# Altium PCB 190830 Diff Pressure Sensors.PcbDoc
Units mm, origin at the board's own origin, x right, y up, seen from the top; angles counter-clockwise.
Board outline 249.68 x 141.22 mm, 4 copper layers (Top Layer, Int1 (GND), Int2 (PWR), Bottom Layer), stack 1.369 mm thick; 92 components, 60 nets, 406 pads, 89 vias.
Unrouted connection lines stored in the file: 50.
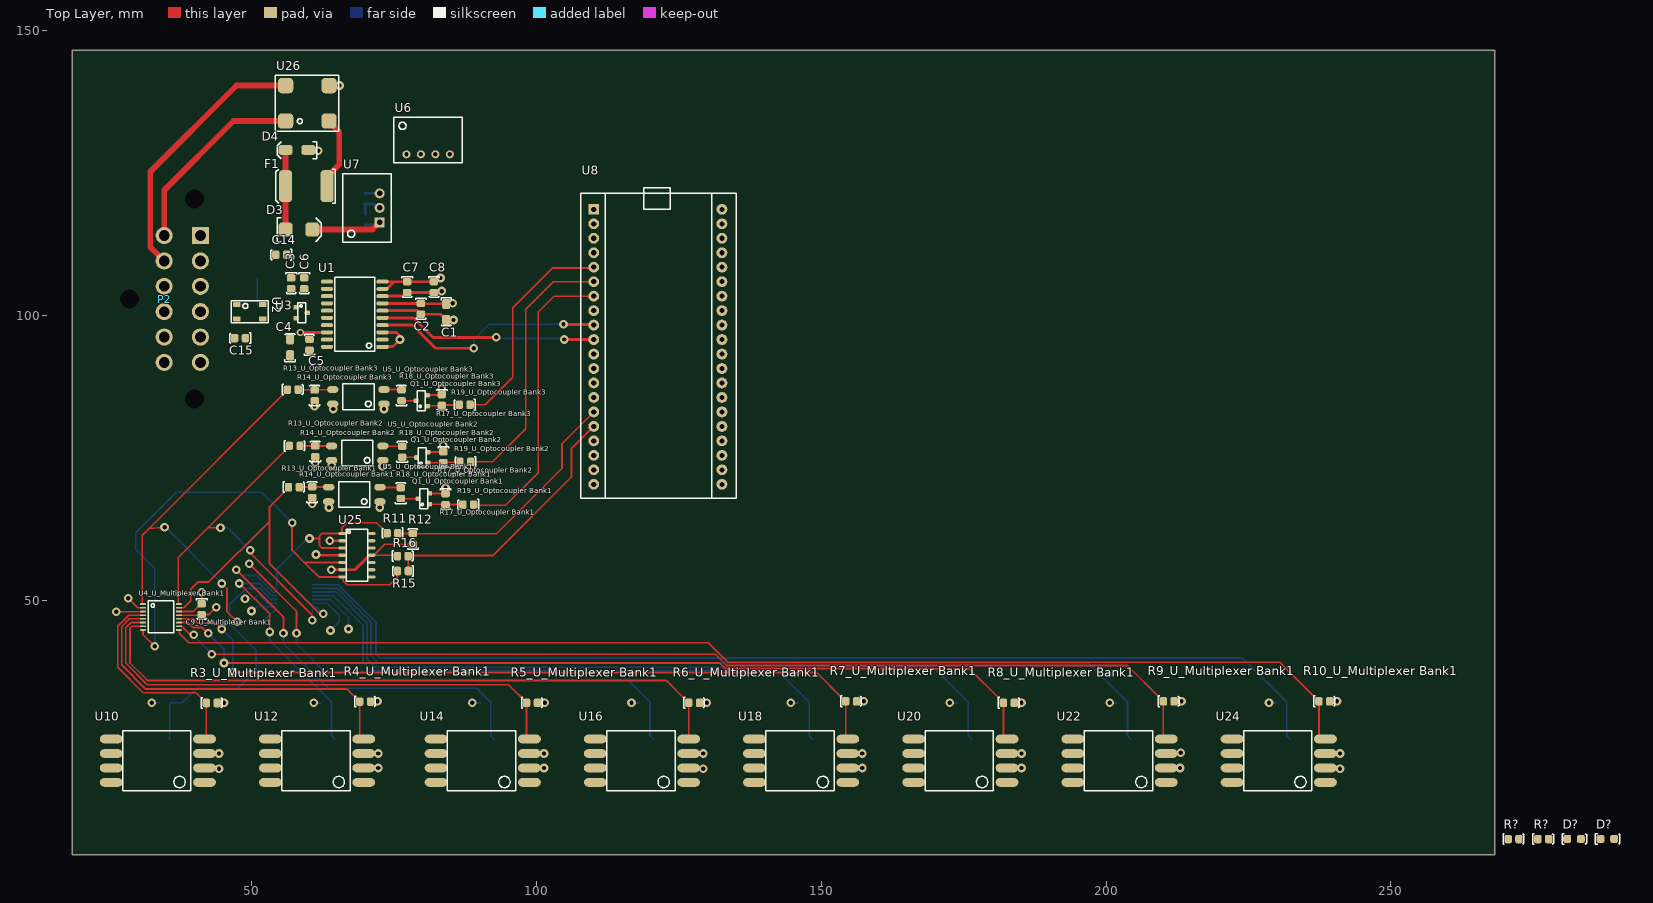
[diagram p0: Top Layer view]
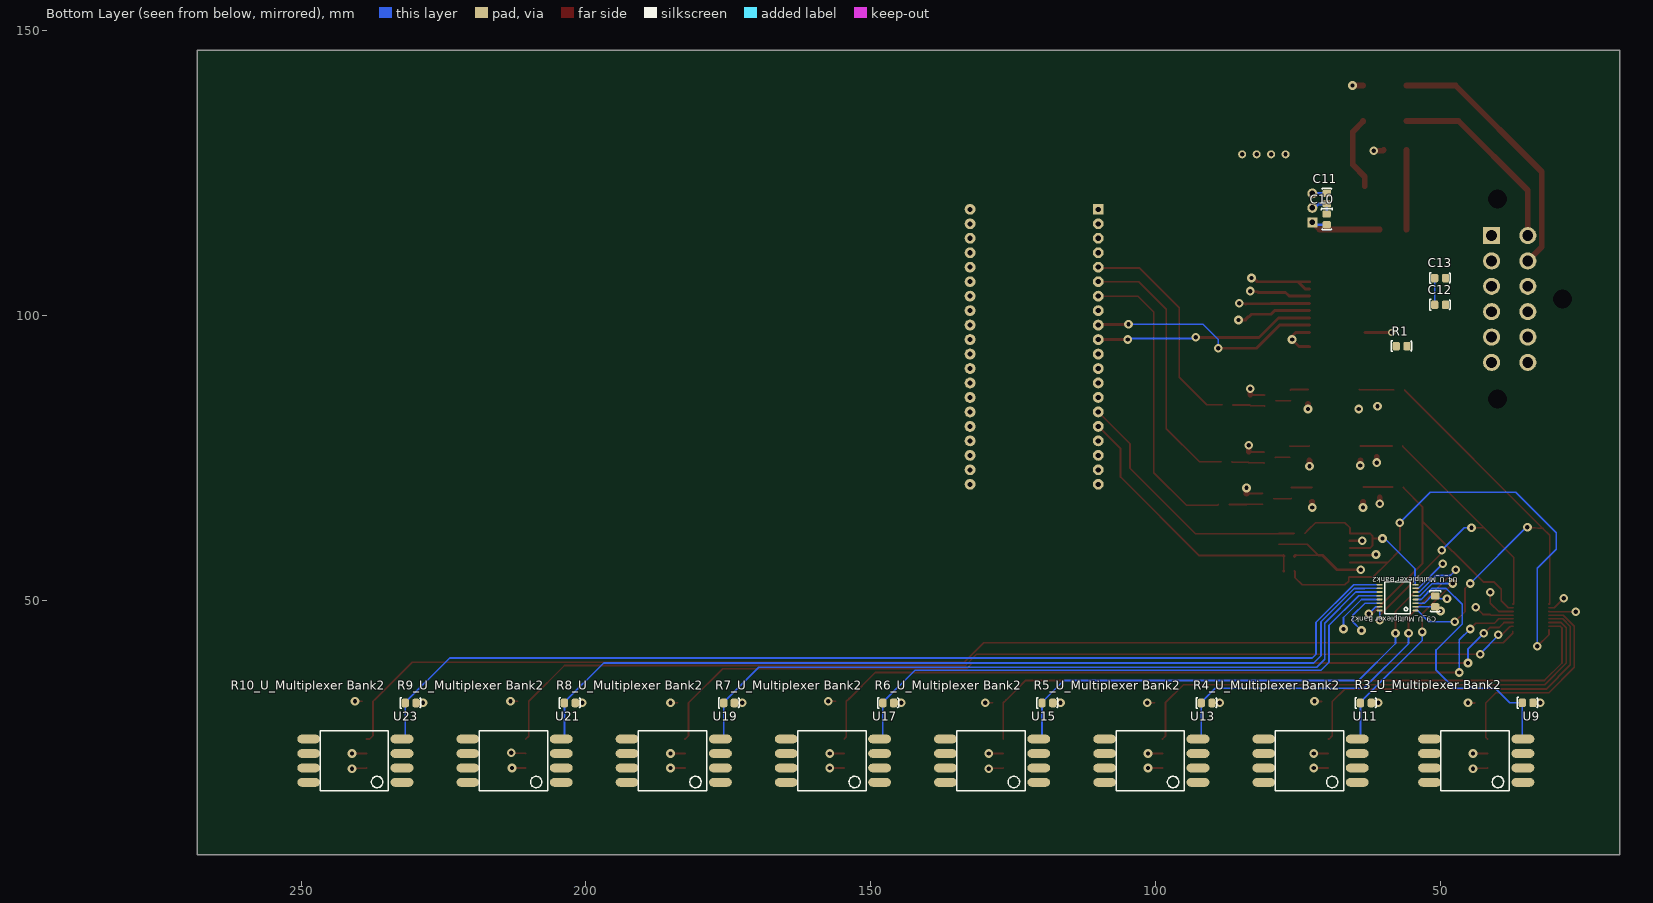
[diagram p1: Bottom Layer view, seen from below]
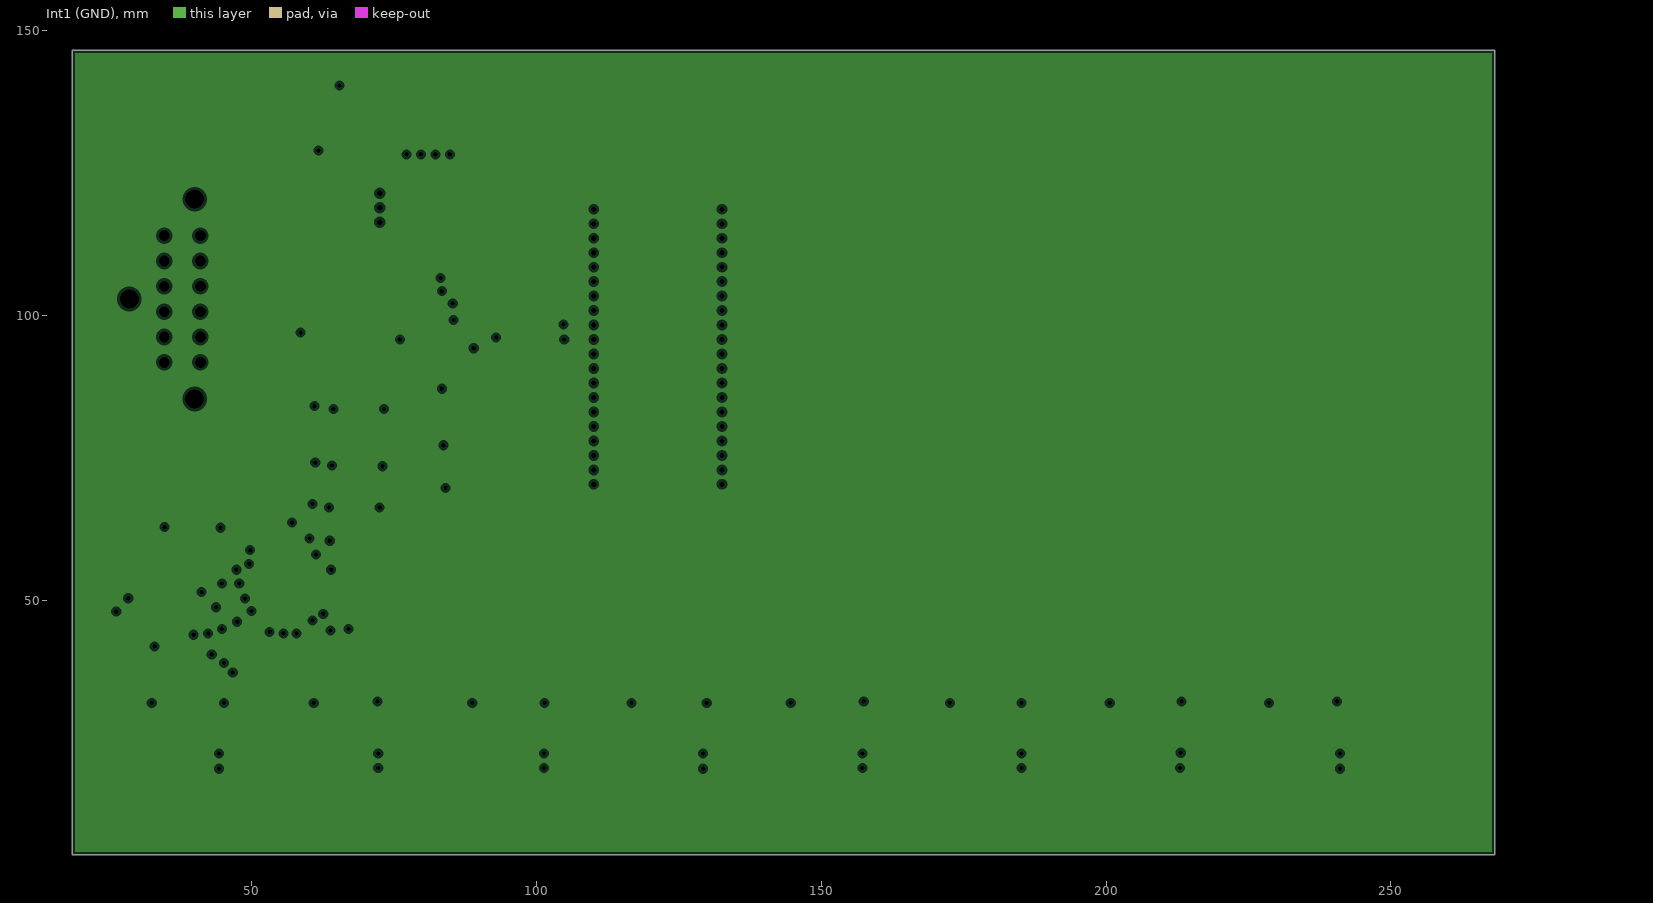
[diagram p2: Int1 (GND), clearances drawn from the general rule]
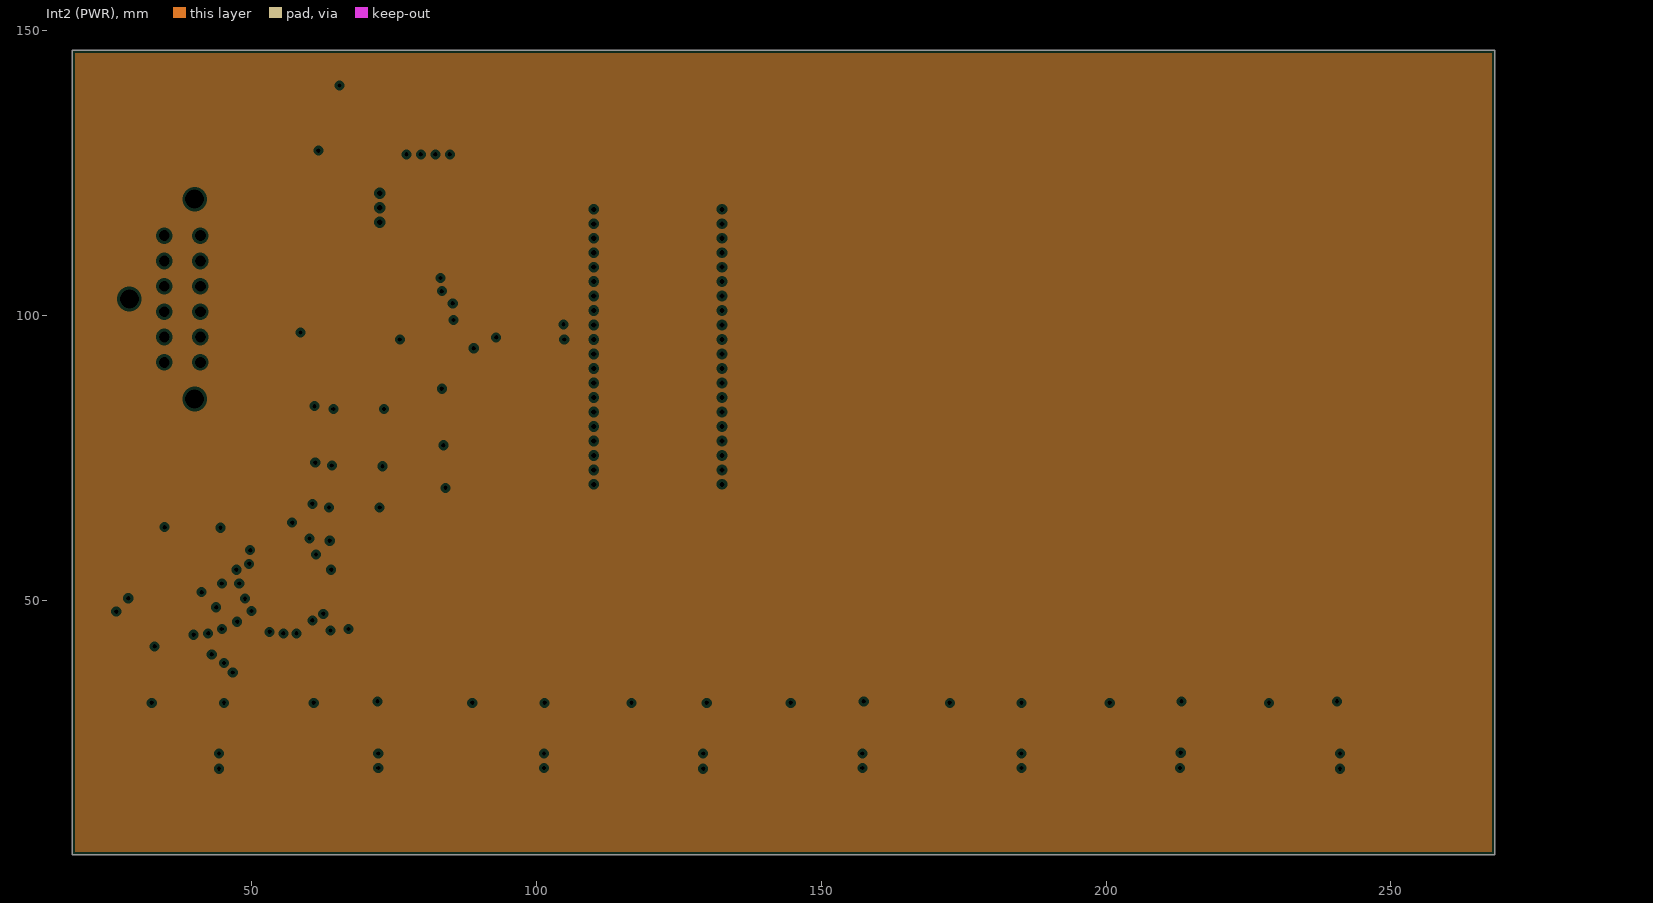
[diagram p3: Int2 (PWR), clearances drawn from the general rule]

## Layer stack, top to bottom
Top Solder: solder mask 0.0254, SM-001, Dk 4
Top Layer: signal copper 0.035
Dielectric 1: prepreg 0.1295, PP-017, Dk 4.3
Dielectric 2: prepreg 0.1295, PP-017, Dk 4.3
Int1 (GND): plane copper 0.035
Dielectric 3: core 0.7112, Core-039, Dk 4.8
Int2 (PWR): plane copper 0.035
Dielectric 4: prepreg 0.1295, PP-017, Dk 4.3
Dielectric 5: prepreg 0.1295, PP-017, Dk 4.3
Bottom Layer: signal copper 0.035
Bottom Solder: solder mask 0.0254, SM-001, Dk 4

## Board outline
18.542,5.334 268.224,5.334 268.224,146.558 18.542,146.558

## Design rules (kind name [scope] priority, off if disabled: settings)
Clearance [All] p1: gap=0.254 ignorepadtopadclearanceinfootprint=FALSE except(0: Arc-Hole Track-Hole SMDPad-Hole THPad-Hole Via-Hole Fill-Hole Poly-Hole Region-Hole Text-Hole)
Height [All] p1: minheight=0 maxheight=2539.975 prefheight=12.7
PlaneClearance [All] p1: clearance=0.508
PlaneConnect [All] p1: planeconnectstyle=Relief reliefexpansion=0.508 reliefentries=4 reliefconductorwidth=0.254 reliefairgap=0.254
PolygonConnect [All] p1: connectstyle=Relief reliefconductorwidth=0.254 reliefentries=4 polygonreliefangle="90 Angle" airgapwidth=0.254
RoutingVias [All] p1: holewidth=0.711 width=1.27 viastyle="Through Hole" minholewidth=0.711 minwidth=1.27 maxholewidth=0.711 maxwidth=1.27
SolderMaskExpansion [All] p1: expansion=0.102
Width [All] p1: maxlimit=254 minlimit=0.254 preferedwidth=0.5 bottomlayer_prefwidth=0.3 minimp=50.000000 maximp=50.000000 favimp=50.000000
27 further rules are at their usual default settings.

## Classes and differential pairs
component class U_Opamp: R11 R12 R15 R16 U25
channel class "Optocoupler Bank": "U_Optocoupler Bank1" "U_Optocoupler Bank2" "U_Optocoupler Bank3"
channel class "Multiplexer Bank": "U_Multiplexer Bank1" "U_Multiplexer Bank2"
component class U_Power: C10 C11 D3 D4 D? F1 P1 R? U6 U7 U26
component class "U_Optocoupler Bank3": "Q1_U_Optocoupler Bank3" "R13_U_Optocoupler Bank3" "R14_U_Optocoupler Bank3" "R17_U_Optocoupler Bank3" "R18_U_Optocoupler Bank3" "R19_U_Optocoupler Bank3" "U5_U_Optocoupler Bank3"
component class "U_Optocoupler Bank2": "Q1_U_Optocoupler Bank2" "R13_U_Optocoupler Bank2" "R14_U_Optocoupler Bank2" "R17_U_Optocoupler Bank2" "R18_U_Optocoupler Bank2" "R19_U_Optocoupler Bank2" "U5_U_Optocoupler Bank2"
component class "U_Optocoupler Bank1": "Q1_U_Optocoupler Bank1" "R13_U_Optocoupler Bank1" "R14_U_Optocoupler Bank1" "R17_U_Optocoupler Bank1" "R18_U_Optocoupler Bank1" "R19_U_Optocoupler Bank1" "U5_U_Optocoupler Bank1"
component class "U_Multiplexer Bank2": "C9_U_Multiplexer Bank2" "R3_U_Multiplexer Bank2" "R4_U_Multiplexer Bank2" "R5_U_Multiplexer Bank2" "R6_U_Multiplexer Bank2" "R7_U_Multiplexer Bank2" "R8_U_Multiplexer Bank2" "R9_U_Multiplexer Bank2" "R10_U_Multiplexer Bank2" "U4_U_Multiplexer Bank2"
component class "U_Multiplexer Bank1": "C9_U_Multiplexer Bank1" "R3_U_Multiplexer Bank1" "R4_U_Multiplexer Bank1" "R5_U_Multiplexer Bank1" "R6_U_Multiplexer Bank1" "R7_U_Multiplexer Bank1" "R8_U_Multiplexer Bank1" "R9_U_Multiplexer Bank1" "R10_U_Multiplexer Bank1" "U4_U_Multiplexer Bank1"
component class U_CAN: C1 C2 C3 C4 C5 C6 C7 C8 C12 C13 C14 C15 R1 U1 U2 U3
component class TopLevel: P2 U8 U9 U10 U11 U12 U13 U14 U15 U16 U17 U18 U19 U20 U21 U22 U23 U24

## Components (designator, comment, footprint, x,y, rotation, side; value= is the part's Value field where it differs from the comment)
C1 "10nF" 1206 84.201,99.381 r270 top
C2 "100nF" 0805 79.782,101.146 r270 top
C3 "100nF" 0805 57.011,105.629 r270 top
C4 "10nF" 1206 56.8,95.6 r90 top
C5 "10uF" 0805 60.174,94.862 r90 top
C6 "100nF" 0805 59.297,105.629 r270 top
C7 "10uF" 0805 77.369,104.956 r270 top
C8 "100nF" 0805 82.068,104.956 r270 top
"C9_U_Multiplexer Bank1" "100nF" 0805 41.301,48.441 r270 top (schematic designator C9)
"C9_U_Multiplexer Bank2" "100nF" 0805 50.927,49.784 r270 bottom (schematic designator C9)
C10 "10uF" 0805 69.977,116.84 r270 bottom
C11 "22uF" 0805 69.977,120.523 r90 bottom
C12 "100pF" 0805 50.092,101.88 r180 bottom
C13 "100pF" 0805 50.092,106.579 r180 bottom
C14 "100pF" 0805 55.245,110.617 r180 top
C15 "100pF" 0805 48,96 r180 top
D3 "SD560BTR" "SMB Diode" 56.261,115.062 r0 top
D4 "SMAZ18-13-F" "SMA Diode" 60.007,129.032 r180 top
D? "LED" "1206 LED RED" 289.179,8.128 r0 top
D? "LED" "1206 LED RED" 283.337,8.128 r0 top
F1 "0ZCF0200AF2C" 2920 63.307,122.682 r180 top
P2 "DT13-12P" DT13-12P 34.7,114.005 r270 top
"Q1_U_Optocoupler Bank1" "BC817-16LT1" "ON SOT-23 BJT" 80.264,67.818 r90 top (schematic designator Q1)
"Q1_U_Optocoupler Bank2" "BC817-16LT1" "ON SOT-23 BJT" 80.01,75.057 r90 top (schematic designator Q1)
"Q1_U_Optocoupler Bank3" "BC817-16LT1" "ON SOT-23 BJT" 79.899,85.029 r90 top (schematic designator Q1)
R1 "0R" 0805 56.838,94.626 r180 bottom
"R3_U_Multiplexer Bank1" "10k" 0805 43.053,32.004 r0 top (schematic designator R3)
"R3_U_Multiplexer Bank2" "10k" 0805 34.725,32.03 r180 bottom (schematic designator R3)
"R4_U_Multiplexer Bank1" "10k" 0805 69.977,32.258 r0 top (schematic designator R4)
"R4_U_Multiplexer Bank2" "10k" 0805 63.119,32.004 r180 bottom (schematic designator R4)
"R5_U_Multiplexer Bank1" "10k" 0805 99.265,32.03 r0 top (schematic designator R5)
"R5_U_Multiplexer Bank2" "10k" 0805 91.059,32.004 r180 bottom (schematic designator R5)
"R6_U_Multiplexer Bank1" "10k" 0805 127.713,32.03 r0 top (schematic designator R6)
"R6_U_Multiplexer Bank2" "10k" 0805 118.999,32.004 r180 bottom (schematic designator R6)
"R7_U_Multiplexer Bank1" "10k" 0805 155.267,32.284 r0 top (schematic designator R7)
"R7_U_Multiplexer Bank2" "10k" 0805 146.939,32.004 r180 bottom (schematic designator R7)
"R8_U_Multiplexer Bank1" "10k" 0805 182.953,32.03 r0 top (schematic designator R8)
"R8_U_Multiplexer Bank2" "10k" 0805 174.879,32.004 r180 bottom (schematic designator R8)
"R9_U_Multiplexer Bank1" "10k" 0805 211.025,32.284 r0 top (schematic designator R9)
"R9_U_Multiplexer Bank2" "10k" 0805 202.819,32.004 r180 bottom (schematic designator R9)
"R10_U_Multiplexer Bank1" "10k" 0805 238.325,32.284 r0 top (schematic designator R10)
"R10_U_Multiplexer Bank2" "10k" 0805 230.759,32.004 r180 bottom (schematic designator R10)
R11 "430R" 0805 74.754,61.748 r180 top
R12 "2k" 0805 78.333,60.784 r90 top
"R13_U_Optocoupler Bank1" "1k" 0805 57.482,69.876 r0 top (schematic designator R13)
"R13_U_Optocoupler Bank2" "1k" 0805 57.604,77.115 r0 top (schematic designator R13)
"R13_U_Optocoupler Bank3" "1k" 0805 57.277,86.995 r0 top (schematic designator R13)
"R14_U_Optocoupler Bank1" "10k" 0805 60.654,68.99 r90 top (schematic designator R14)
"R14_U_Optocoupler Bank2" "10k" 0805 61.188,76.151 r90 top (schematic designator R14)
"R14_U_Optocoupler Bank3" "10k" 0805 61.087,85.979 r90 top (schematic designator R14)
R15 "430R" 0805 76.581,55.118 r180 top
R16 "2k" 0805 76.581,57.785 r0 top
"R17_U_Optocoupler Bank1" "10k" 0805 84.1,67.74 r270 top (schematic designator R17)
"R17_U_Optocoupler Bank2" "10k" 0805 83.719,75.111 r270 top (schematic designator R17)
"R17_U_Optocoupler Bank3" "10k" 0805 83.465,85.139 r270 top (schematic designator R17)
"R18_U_Optocoupler Bank1" "1k" 0805 76.2,68.834 r90 top (schematic designator R18)
"R18_U_Optocoupler Bank2" "1k" 0805 76.454,76.073 r90 top (schematic designator R18)
"R18_U_Optocoupler Bank3" "1k" 0805 76.327,85.979 r90 top (schematic designator R18)
"R19_U_Optocoupler Bank1" "1k" 0805 88.06,66.776 r180 top (schematic designator R19)
"R19_U_Optocoupler Bank2" "1k" 0805 87.552,74.269 r180 top (schematic designator R19)
"R19_U_Optocoupler Bank3" "1k" 0805 87.425,84.302 r180 top (schematic designator R19)
R? "1.5k" 0805 271.526,8.128 r0 top
R? "1.5k" 0805 276.733,8.128 r0 top
U1 "ADM3053" "AD SOIC-W 20" 68.148,100.203 r90 top
U2 "B82787C0104H002" "TDK 4-PC Pad" 47.45,101.9 r0 top
U3 "NUP2105L" "ON SOT-23" 58.817,100.457 r270 top
"U4_U_Multiplexer Bank1" "ADG709" "AD 16-TSSOP" 30.888,49.386 r270 top (schematic designator U4)
"U4_U_Multiplexer Bank2" "ADG709" "AD 16-TSSOP" 54.306,48.15 r90 bottom (schematic designator U4)
"U5_U_Optocoupler Bank1" "LTV-817S-TA1" "ON 4-SMD" 67.818,68.58 r180 top (schematic designator U5)
"U5_U_Optocoupler Bank2" "LTV-817S-TA1" "ON 4-SMD" 68.326,75.819 r180 top (schematic designator U5)
"U5_U_Optocoupler Bank3" "LTV-817S-TA1" "ON 4-SMD" 68.529,85.725 r180 top (schematic designator U5)
U6 "RI-0505S" "RECOM 4-SIP" 81.026,128.27 r0 top
U7 "R-78C5.0-1.0" "RECOM 3-SIP" 72.517,116.332 r90 top
U8 "LPC1768 MBED" "LPC1768 MBED" 110.088,118.618 r0 top
U9 "MPXV7002DP" "NXP 8-SOP" 45.943,22.114 r90 bottom
U10 "MPXV7002DP" "NXP 8-SOP" 31.403,22.114 r90 top
U11 "MPXV7002DP" "NXP 8-SOP" 75.023,22.114 r90 bottom
U12 "MPXV7002DP" "NXP 8-SOP" 59.343,22.114 r90 top
U13 "MPXV7002DP" "NXP 8-SOP" 102.963,22.114 r90 bottom
U14 "MPXV7002DP" "NXP 8-SOP" 88.423,22.114 r90 top
U15 "MPXV7002DP" "NXP 8-SOP" 130.903,22.114 r90 bottom
U16 "MPXV7002DP" "NXP 8-SOP" 116.363,22.114 r90 top
U17 "MPXV7002DP" "NXP 8-SOP" 158.843,22.114 r90 bottom
U18 "MPXV7002DP" "NXP 8-SOP" 144.303,22.114 r90 top
U19 "MPXV7002DP" "NXP 8-SOP" 186.783,22.114 r90 bottom
U20 "MPXV7002DP" "NXP 8-SOP" 172.243,22.114 r90 top
U21 "MPXV7002DP" "NXP 8-SOP" 214.723,22.114 r90 bottom
U22 "MPXV7002DP" "NXP 8-SOP" 200.183,22.114 r90 top
U23 "MPXV7002DP" "NXP 8-SOP" 242.663,22.114 r90 bottom
U24 "MPXV7002DP" "NXP 8-SOP" 228.123,22.114 r90 top
U25 "LM324D" "TI 14-SOIC" 63.32,42.672 r270 top
U26 "744272121" "Wurth 4-PC Pad" 63.627,140.332 r180 top

## Footprints (in the part's own frame and the unit in brackets; to place one, negate y for a bottom-side part, rotate by r counter-clockwise, add the part's x,y. Pads: shape width x height; smd on the part's side, far side on the other; paste and mask are expansions set on the pad)
0805 [mm]
  rrect50% 1.3x1.5 smd: 1(-0.962,-0.026) 2(0.938,-0.026)
  silkscreen extent -1.85,-0.95 1.8,0.93, body extent -1,-0.65 1,0.66, height 0.73
1206 [mm]
  rrect50% 1.8x1.4 smd: 1(-2.6,0) 2(0.2,0)
  silkscreen extent -3.7,-0.9 1.2,0.9, body extent -2.9,-0.9 0.5,0.9, height 1.85
"1206 LED RED" [mm]
  rrect50% 1.4x1.4 smd: A(-2.4,0) K(0,0)
  silkscreen extent -3.3,-0.9 1,0.9, body extent -2.8,-0.8 0.4,0.8, height 1.1
2920 [mm]
  rrect50% 2.3x5.6 smd: 1(0,0) 2(7.3,0)
  silkscreen extent -1.4,-3 9,3, body extent -0.34,-2.81 7.64,2.81, height 1.14
"AD 16-TSSOP" [mm]
  oval 0.3x1.05 smd: 1(0.05,0.1) 2(0.7,0.1) 3(1.35,0.1) 4(2,0.1) 5(2.65,0.1) 6(3.3,0.1) 7(3.95,0.1) 8(4.6,0.1) 9(4.6,6.4) 10(3.95,6.4) 11(3.3,6.4) 12(2.65,6.4) 13(2,6.4) 14(1.35,6.4) 15(0.7,6.4) 16(0.05,6.4)
  silkscreen extent -0.5,1 5.1,5.5, body extent -0.24,0.05 4.86,6.45, height 1.2
"AD SOIC-W 20" [mil]
  rrect50% 28x85 smd: 1(-225,-192.02)
  oval 28x85 smd: 2(-175,-192.02) 3(-125,-192.02) 4(-75,-192.02) 5(-25,-192.02) 6(25,-192.02) 7(75,-192.02) 8(125,-192.02) 9(175,-192.02) 10(225,-192.02) 11(225,192.02) 12(175,191.98) 13(125,191.98) 14(75,191.98) 15(25,191.98) 16(-25,191.98) 17(-75,191.98) 18(-125,191.98) 19(-175,191.98) 20(-225,191.98)
  silkscreen extent -257,-138 256,138, body extent -260,-210 260,210, height 105
DT13-12P [mm]
  round 3 hole 3.3 unplated: 0(-6.405,5.33) 0(11.135,-6.1) 0(28.675,5.33)
  rect 3x3 hole 1.9: 1(0,6.35)
  round 3 hole 1.9: 2(4.45,6.35) 3(8.9,6.35) 4(13.35,6.35) 5(17.8,6.35) 6(22.25,6.35) 7(22.25,0) 8(17.8,0) 9(13.35,0) 10(8.9,0) 11(4.45,0) 12(0,0)
  body extent -18.6,-34.7 40.6,9.5, height 37.63
"LPC1768 MBED" [mm] "MBED M3 (40 pin dip package)"
  rect 1.9x1.9 hole 0.889: 1(0,0)
  round 1.9 hole 0.889: 2(0,-2.54) 3(0,-5.08) 4(0,-7.62) 5(0,-10.16) 6(0,-12.7) 7(0,-15.24) 8(0,-17.78) 9(0,-20.32) 10(0,-22.86) 11(0,-25.4) 12(0,-27.94) 13(0,-30.48) 14(0,-33.02) 15(0,-35.56) 16(0,-38.1) 17(0,-40.64) 18(0,-43.18) 19(0,-45.72) 20(0,-48.26) 21(22.5,-48.26) 22(22.5,-45.72) 23(22.5,-43.18) 24(22.5,-40.64) 25(22.5,-38.1) 26(22.5,-35.56) 27(22.5,-33.02) 28(22.5,-30.48) 29(22.5,-27.94) 30(22.5,-25.4) 31(22.5,-22.86) 32(22.5,-20.32) 33(22.5,-17.78) 34(22.5,-15.24) 35(22.5,-12.7) 36(22.5,-10.16) 37(22.5,-7.62) 38(22.5,-5.08) 39(22.5,-2.54) 40(22.5,0)
  silkscreen extent -2.25,-50.75 25,3.81, body extent -2.25,-50.75 25,5.28, height 16.84
"NXP 8-SOP" [mm]